# Allegro board H616_REF_DDR4_16X4_V2_0_20200729.brd
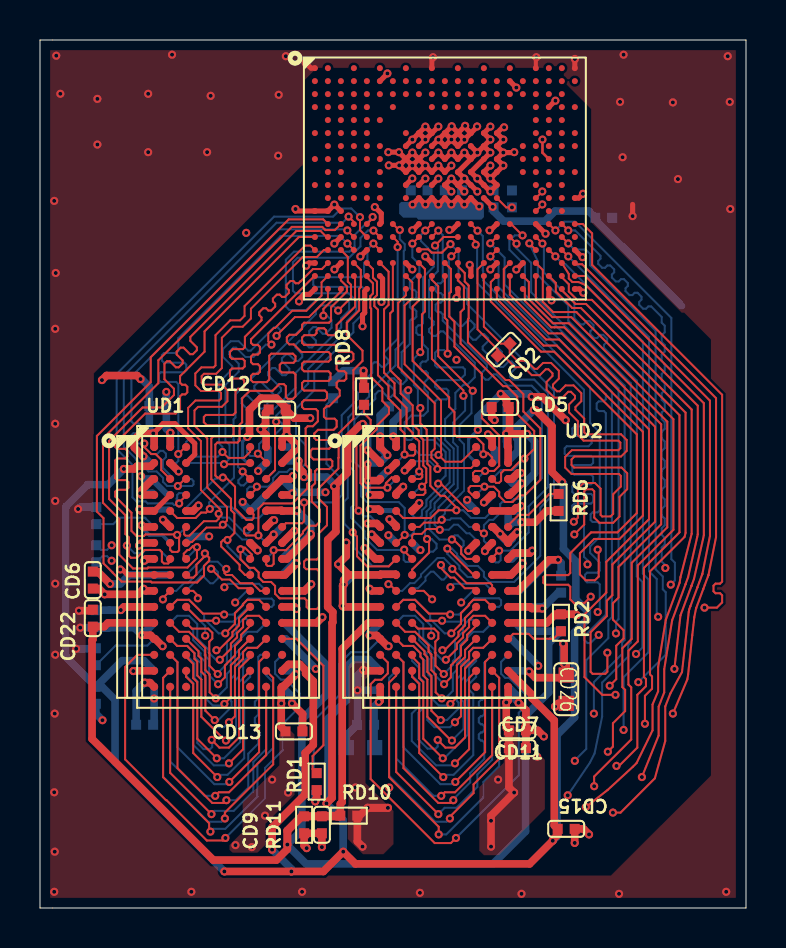
[diagram p0: board, top side]
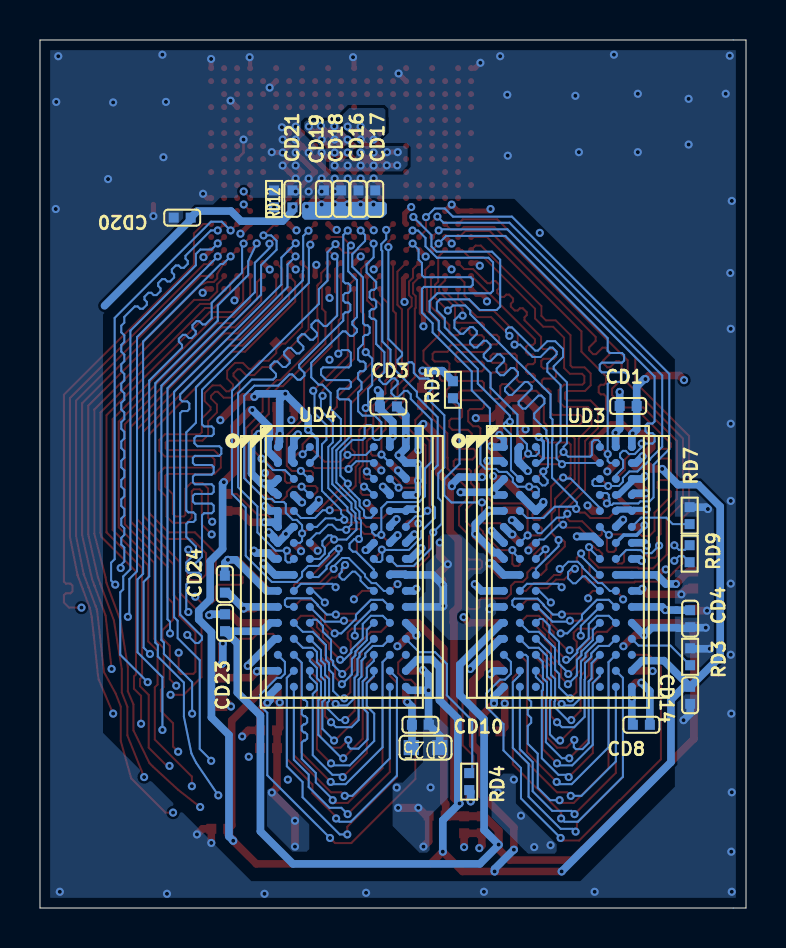
[diagram p1: board, bottom side, seen from below]

Outline 35.31 x 43.43 mm; copper layers: TOP, GND02, POWER03, BOTTOM. Coordinates in mm from the lower left corner of the outline.
Outline path: 0,43.43 0,0 35.31,0 35.31,43.43 0,43.43

## Design rules (mm)
net group DDR-ADD: nets SRST
nets with their own width: min track width 0.381; nets GND SVREF VCC-DRAM VDD18-DRAM VDD-CPU VDD-GPU VDD-SYS VPP-DRAM

## Placement (name value [footprint] x y rotation side)
CD1  100nF  [C0402]  5.89 25.12 0 bottom
CD2  NC  [C0402]  23.19 27.94 45 top
CD3  2.2uF  [C0402]  17.88 25.1 0 bottom
CD4  2.2uF  [C0402]  2.79 14.48 270 bottom
CD5  100nF  [C0402]  23.01 25.07 180 top
CD6  100nF  [C0402]  2.64 16.41 270 top
CD7  NC  [C0402]  23.88 8 0 top
CD8  NC  [C0402]  5.23 9.17 180 bottom
CD9  100nF  [C0402]  14.1 4.17 270 top
CD10  100nF  [C0402]  16.28 9.17 0 bottom
CD11  2.2uF  [C0402]  23.88 8.89 0 top
CD12  100nF  [C0402]  11.86 24.94 180 top
CD13  2.2uF  [C0402]  12.7 8.84 0 top
CD14  1uF  [C0402]  2.79 10.64 270 bottom
CD15  100nF  [C0402]  26.31 3.96 0 top
CD16  NC  [C0402]  19.38 35.48 90 bottom
CD17  100nF  [C0402]  18.54 35.48 90 bottom
CD18  2.2uF  [C0402]  20.24 35.48 90 bottom
CD19  100nF  [C0402]  21.11 35.48 90 bottom
CD20  1uF  [C0402]  28.19 34.54 0 bottom
CD21  100nF  [C0402]  22.68 35.48 90 bottom
CD22  100nF  [C0402]  2.64 14.5 90 top
CD23  100nF  [C0402]  26.05 14.27 90 bottom
CD24  100nF  [C0402]  26.06 16.21 90 bottom
CD25  10uF  [C0603]  16.03 8.03 0 bottom
CD26  10uF  [C0603]  26.31 10.95 270 top
NOREF  -  []  -40.44 -28.88 0 top
NOREF#2  -  []  35.31 0 90 top
NOREF#3  -  []  0 43.43 0 top
RD1  240R-1%  [R0402]  13.84 6.32 270 top
RD2  240R-1%  [R0402]  26.05 14.27 90 top
RD3  240R-1%  [R0402]  2.79 12.57 90 bottom
RD4  240R-1%  [R0402]  13.84 6.32 270 bottom
RD5  240R-1%  [R0402]  14.66 25.93 90 bottom
RD6  240R-1%  [R0402]  25.93 20.29 270 top
RD7  240R-1%  [R0402]  2.82 19.63 90 bottom
RD8  240R-1%  [R0402]  16.21 25.6 90 top
RD9  100R  [R0402]  2.82 17.73 90 bottom
RD10  2K-1%  [R0402]  15.44 4.62 0 top
RD11  2K-1%  [R0402]  13.21 4.17 90 top
RD12  240R-1%  [R0402]  23.6 35.48 90 bottom
U1  H616-BGA-284  [BGA284P65B1200_1400H125]  20.25 36.5 0 top
UD1  DDR4-FBGA96  [BGA96P80B1000_1400H120]  8.91 17.07 0 top
UD2  DDR4-FBGA96  [BGA96P80B1000_1400H120]  20.21 17.07 0 top
UD3  DDR4-FBGA96  [BGA96P80B1000_1400H120]  8.91 17.07 180 bottom
UD4  DDR4-FBGA96  [BGA96P80B1000_1400H120]  20.21 17.07 180 bottom

## Library data of the parts
CD1-CD5 CD7-CD26 = C-C0402-X5R_1
CD6 = C-C0603-X5R_1
RD1-RD8 = R-R0402-1%_1
RD9-RD11 = R-R0402-5%_1
RD12 = R-R0402-1%_0
U1 = H616-BGA-284_1
UD1-UD4 = DDR4-FBGA96

## Footprints (pads in the part's own frame, mm; a bottom-side part is the same pattern mirrored in y, then rotated)
BGA96P80B1000_1400H120
  round 0.4 smd: A1(-3.2,6) A2(-2.4,6) A3(-1.6,6) A7(1.6,6) A8(2.4,6) A9(3.2,6) B1(-3.2,5.2) B2(-2.4,5.2) B3(-1.6,5.2) B7(1.6,5.2) B8(2.4,5.2) B9(3.2,5.2) C1(-3.2,4.4) C2(-2.4,4.4) C3(-1.6,4.4) C7(1.6,4.4) C8(2.4,4.4) C9(3.2,4.4) D1(-3.2,3.6) D2(-2.4,3.6) D3(-1.6,3.6) D7(1.6,3.6) D8(2.4,3.6) D9(3.2,3.6) E1(-3.2,2.8) E2(-2.4,2.8) E3(-1.6,2.8) E7(1.6,2.8) E8(2.4,2.8) E9(3.2,2.8) F1(-3.2,2) F2(-2.4,2) F3(-1.6,2) F7(1.6,2) F8(2.4,2) F9(3.2,2) G1(-3.2,1.2) G2(-2.4,1.2) G3(-1.6,1.2) G7(1.6,1.2) G8(2.4,1.2) G9(3.2,1.2) H1(-3.2,0.4) H2(-2.4,0.4) H3(-1.6,0.4) H7(1.6,0.4) H8(2.4,0.4) H9(3.2,0.4) J1(-3.2,-0.4) J2(-2.4,-0.4) J3(-1.6,-0.4) J7(1.6,-0.4) J8(2.4,-0.4) J9(3.2,-0.4) K1(-3.2,-1.2) K2(-2.4,-1.2) K3(-1.6,-1.2) K7(1.6,-1.2) K8(2.4,-1.2) K9(3.2,-1.2) L1(-3.2,-2) L2(-2.4,-2) L3(-1.6,-2) L7(1.6,-2) L8(2.4,-2) L9(3.2,-2) M1(-3.2,-2.8) M2(-2.4,-2.8) M3(-1.6,-2.8) M7(1.6,-2.8) M8(2.4,-2.8) M9(3.2,-2.8) N1(-3.2,-3.6) N2(-2.4,-3.6) N3(-1.6,-3.6) N7(1.6,-3.6) N8(2.4,-3.6) N9(3.2,-3.6) P1(-3.2,-4.4) P2(-2.4,-4.4) P3(-1.6,-4.4) P7(1.6,-4.4) P8(2.4,-4.4) P9(3.2,-4.4) R1(-3.2,-5.2) R2(-2.4,-5.2) R3(-1.6,-5.2) R7(1.6,-5.2) R8(2.4,-5.2) R9(3.2,-5.2) T1(-3.2,-6) T2(-2.4,-6) T3(-1.6,-6) T7(1.6,-6) T8(2.4,-6) T9(3.2,-6)
BGA284P65B1200_1400H125
  round 0.3 smd: A1(-6.5,5.525) A2(-5.85,5.525) A4(-4.55,5.525) A6(-3.25,5.525) A8(-1.95,5.525) A10(-0.65,5.525) A12(0.65,5.525) A14(1.95,5.525) A16(3.25,5.525) A18(4.55,5.525) A19(5.2,5.525) A20(5.85,5.525) A21(6.5,5.525) B1(-6.5,4.875) B2(-5.85,4.875) B3(-5.2,4.875) B4(-4.55,4.875) B5(-3.9,4.875) B6(-3.25,4.875) B7(-2.6,4.875) B8(-1.95,4.875) B9(-1.3,4.875) B10(-0.65,4.875) B11(0,4.875) B12(0.65,4.875) B13(1.3,4.875) B14(1.95,4.875) B15(2.6,4.875) B16(3.25,4.875) B17(3.9,4.875) B18(4.55,4.875) B19(5.2,4.875) B20(5.85,4.875) B21(6.5,4.875) C1(-6.5,4.225) C2(-5.85,4.225) C3(-5.2,4.225) C4(-4.55,4.225) C5(-3.9,4.225) C6(-3.25,4.225) C7(-2.6,4.225) C8(-1.95,4.225) C9(-1.3,4.225) C10(-0.65,4.225) C11(0,4.225) C12(0.65,4.225) C13(1.3,4.225) C14(1.95,4.225) C15(2.6,4.225) C16(3.25,4.225) C17(3.9,4.225) C18(4.55,4.225) C19(5.2,4.225) C20(5.85,4.225) D1(-6.5,3.575) D2(-5.85,3.575) D3(-5.2,3.575) D4(-4.55,3.575) D5(-3.9,3.575) D7(-2.6,3.575) D10(-0.65,3.575) D11(0,3.575) D12(0.65,3.575) D13(1.3,3.575) D14(1.95,3.575) D15(2.6,3.575) D16(3.25,3.575) D18(4.55,3.575) D19(5.2,3.575) D20(5.85,3.575) D21(6.5,3.575) E2(-5.85,2.925) E3(-5.2,2.925) E4(-4.55,2.925) E5(-3.9,2.925) E6(-3.25,2.925) E18(4.55,2.925) E19(5.2,2.925) E20(5.85,2.925) F1(-6.5,2.275) F2(-5.85,2.275) F3(-5.2,2.275) F4(-4.55,2.275) F5(-3.9,2.275) F8(-1.95,2.275) F9(-1.3,2.275) F10(-0.65,2.275) F11(0,2.275) F12(0.65,2.275) F13(1.3,2.275) F14(1.95,2.275) F15(2.6,2.275) F18(4.55,2.275) F19(5.2,2.275) F20(5.85,2.275) F21(6.5,2.275) G2(-5.85,1.625) G3(-5.2,1.625) G4(-4.55,1.625) G5(-3.9,1.625) G6(-3.25,1.625) G8(-1.95,1.625) G9(-1.3,1.625) G10(-0.65,1.625) G11(0,1.625) G12(0.65,1.625) G13(1.3,1.625) G14(1.95,1.625) G15(2.6,1.625) G17(3.9,1.625) G18(4.55,1.625) G19(5.2,1.625) G20(5.85,1.625) G21(6.5,1.625) H1(-6.5,0.975) H2(-5.85,0.975) H3(-5.2,0.975) H4(-4.55,0.975) H5(-3.9,0.975) H6(-3.25,0.975) H8(-1.95,0.975) H9(-1.3,0.975) H10(-0.65,0.975) H11(0,0.975) H12(0.65,0.975) H13(1.3,0.975) H14(1.95,0.975) H15(2.6,0.975) H17(3.9,0.975) H18(4.55,0.975) H19(5.2,0.975) H20(5.85,0.975) J2(-5.85,0.325) J3(-5.2,0.325) J6(-3.25,0.325) J8(-1.95,0.325) J9(-1.3,0.325) J10(-0.65,0.325) J11(0,0.325) J12(0.65,0.325) J13(1.3,0.325) J14(1.95,0.325) J15(2.6,0.325) J17(3.9,0.325) J18(4.55,0.325) J19(5.2,0.325) J20(5.85,0.325) J21(6.5,0.325) K1(-6.5,-0.325) K2(-5.85,-0.325) K3(-5.2,-0.325) K4(-4.55,-0.325) K5(-3.9,-0.325) K6(-3.25,-0.325) K8(-1.95,-0.325) K9(-1.3,-0.325) K10(-0.65,-0.325) K11(0,-0.325) K12(0.65,-0.325) K13(1.3,-0.325) K14(1.95,-0.325) K15(2.6,-0.325) K18(4.55,-0.325) K19(5.2,-0.325) K20(5.85,-0.325) L2(-5.85,-0.975) L3(-5.2,-0.975) L4(-4.55,-0.975) L5(-3.9,-0.975) L6(-3.25,-0.975) L8(-1.95,-0.975) L9(-1.3,-0.975) L10(-0.65,-0.975) L11(0,-0.975) L12(0.65,-0.975) L13(1.3,-0.975) L14(1.95,-0.975) L15(2.6,-0.975) L18(4.55,-0.975) L19(5.2,-0.975) L20(5.85,-0.975) L21(6.5,-0.975) M1(-6.5,-1.625) M2(-5.85,-1.625) M3(-5.2,-1.625) M18(4.55,-1.625) M19(5.2,-1.625) M20(5.85,-1.625) N2(-5.85,-2.275) N3(-5.2,-2.275) N4(-4.55,-2.275) N5(-3.9,-2.275) N6(-3.25,-2.275) N7(-2.6,-2.275) N9(-1.3,-2.275) N10(-0.65,-2.275) N12(0.65,-2.275) N13(1.3,-2.275) N15(2.6,-2.275) N16(3.25,-2.275) N18(4.55,-2.275) N19(5.2,-2.275) N20(5.85,-2.275) N21(6.5,-2.275) P1(-6.5,-2.925) P2(-5.85,-2.925) P3(-5.2,-2.925) P4(-4.55,-2.925) P5(-3.9,-2.925) P6(-3.25,-2.925) P7(-2.6,-2.925) P9(-1.3,-2.925) P10(-0.65,-2.925) P12(0.65,-2.925) P13(1.3,-2.925) P15(2.6,-2.925) P16(3.25,-2.925) P18(4.55,-2.925) P20(5.85,-2.925) P21(6.5,-2.925) R1(-6.5,-3.575) R2(-5.85,-3.575) R3(-5.2,-3.575) R4(-4.55,-3.575) R5(-3.9,-3.575) R6(-3.25,-3.575) R9(-1.3,-3.575) R12(0.65,-3.575) R15(2.6,-3.575) R18(4.55,-3.575) R19(5.2,-3.575) R20(5.85,-3.575) R21(6.5,-3.575) T1(-6.5,-4.225) T2(-5.85,-4.225) T3(-5.2,-4.225) T4(-4.55,-4.225) T5(-3.9,-4.225) T6(-3.25,-4.225) T7(-2.6,-4.225) T8(-1.95,-4.225) T9(-1.3,-4.225) T10(-0.65,-4.225) T11(0,-4.225) T12(0.65,-4.225) T14(1.95,-4.225) T15(2.6,-4.225) T16(3.25,-4.225) T17(3.9,-4.225) T18(4.55,-4.225) T20(5.85,-4.225) T21(6.5,-4.225) U1(-6.5,-4.875) U2(-5.85,-4.875) U3(-5.2,-4.875) U4(-4.55,-4.875) U5(-3.9,-4.875) U6(-3.25,-4.875) U8(-1.95,-4.875) U9(-1.3,-4.875) U10(-0.65,-4.875) U11(0,-4.875) U12(0.65,-4.875) U13(1.3,-4.875) U14(1.95,-4.875) U15(2.6,-4.875) U16(3.25,-4.875) U17(3.9,-4.875) U18(4.55,-4.875) U19(5.2,-4.875) U20(5.85,-4.875) U21(6.5,-4.875) V1(-6.5,-5.525) V2(-5.85,-5.525) V3(-5.2,-5.525) V5(-3.9,-5.525) V8(-1.95,-5.525) V10(-0.65,-5.525) V12(0.65,-5.525) V15(2.6,-5.525) V17(3.9,-5.525) V19(5.2,-5.525) V20(5.85,-5.525) V21(6.5,-5.525)
C0402
  rect 0.5x0.5 smd: 1(-0.425,0) 2(0.425,0)
C0603
  rect 0.76x0.76 smd: 1(-0.71,0) 2(0.71,0)
R0402
  rect 0.5x0.5 smd: 1(-0.425,0) 2(0.425,0)

## Nets
GND: CD1.2 CD3.2 CD4.2 CD5.2 CD6.2 CD7.2 CD8.2 CD9.2 CD10.2 CD11.2 CD12.2 CD13.2 CD14.2 CD15.2 CD16.2 CD17.2 CD18.2 CD19.2 CD20.2 CD21.2 CD22.2 CD23.2 CD24.2 CD25.2 CD26.2 RD1.2 RD2.2 RD3.2 RD4.2 RD5.2 RD6.2 RD7.2 RD8.2 RD11.1 RD12.2 U1.A1(GND1) U1.A10(GND2) U1.A18(GND3) U1.A21(GND4) U1.B6(GND5) U1.B16(GND6) U1.D19(GND7) U1.F14(GND8) U1.F15(GND9) U1.G13(GND10) U1.G14(GND11) U1.G15(GND12) U1.H10(GND13) U1.H11(GND14) U1.H12(GND15) U1.H13(GND16) U1.H14(GND17) U1.H15(GND18) U1.H19(GND19) U1.J12(GND20) U1.J13(GND21) U1.J14(GND22) U1.J15(GND23) U1.K8(GND25) U1.K9(GND26) U1.K10(GND27) U1.K11(GND28) U1.K12(GND29) U1.K13(GND30) U1.K14(GND31) U1.K15(GND32) U1.L21(GND33) U1.M1(GND24) U1.M2(GND34) U1.M3(GND35) U1.N6(GND36) U1.N9(GND37) U1.N12(GND38) U1.N15(GND39) U1.N18(GND40) U1.P3(GND41) U1.R5(GND42) U1.R21(GND43) U1.T1(GND44) U1.T3(GND45) U1.T8(GND46) U1.T10(GND47) U1.T15(GND48) U1.T17(GND49) U1.U6(GND50) U1.U13(GND51) U1.V1(GND52) U1.V5(GND53) U1.V12(GND54) U1.V19(GND55) U1.V21(GND56) UD1.A2(VSSQ1) UD1.A8(VSSQ2) UD1.B2(VSS1) UD1.C9(VSSQ3) UD1.D2(VSSQ4) UD1.D8(VSSQ5) UD1.E1(VSS2) UD1.E3(VSSQ6) UD1.E8(VSSQ7) UD1.E9(VSS3) UD1.F1(VSSQ8) UD1.G8(VSS4) UD1.H1(VSSQ9) UD1.H9(VSSQ10) UD1.K1(VSS5) UD1.K9(VSS6) UD1.M9(VSS7) UD1.N1(VSS8) UD1.T1(VSS9) UD2.A2(VSSQ1) UD2.A8(VSSQ2) UD2.B2(VSS1) UD2.C9(VSSQ3) UD2.D2(VSSQ4) UD2.D8(VSSQ5) UD2.E1(VSS2) UD2.E3(VSSQ6) UD2.E8(VSSQ7) UD2.E9(VSS3) UD2.F1(VSSQ8) UD2.G8(VSS4) UD2.H1(VSSQ9) UD2.H9(VSSQ10) UD2.K1(VSS5) UD2.K9(VSS6) UD2.M9(VSS7) UD2.N1(VSS8) UD2.T1(VSS9) UD3.A2(VSSQ1) UD3.A8(VSSQ2) UD3.B2(VSS1) UD3.C9(VSSQ3) UD3.D2(VSSQ4) UD3.D8(VSSQ5) UD3.E1(VSS2) UD3.E3(VSSQ6) UD3.E8(VSSQ7) UD3.E9(VSS3) UD3.F1(VSSQ8) UD3.G8(VSS4) UD3.H1(VSSQ9) UD3.H9(VSSQ10) UD3.K1(VSS5) UD3.K9(VSS6) UD3.M9(VSS7) UD3.N1(VSS8) UD3.T1(VSS9) UD4.A2(VSSQ1) UD4.A8(VSSQ2) UD4.B2(VSS1) UD4.C9(VSSQ3) UD4.D2(VSSQ4) UD4.D8(VSSQ5) UD4.E1(VSS2) UD4.E3(VSSQ6) UD4.E8(VSSQ7) UD4.E9(VSS3) UD4.F1(VSSQ8) UD4.G8(VSS4) UD4.H1(VSSQ9) UD4.H9(VSSQ10) UD4.K1(VSS5) UD4.K9(VSS6) UD4.M9(VSS7) UD4.N1(VSS8) UD4.T1(VSS9)
VCC-DRAM: CD1.1 CD3.1 CD4.1 CD5.1 CD6.1 CD7.1 CD8.1 CD10.1 CD11.1 CD12.1 CD13.1 CD16.1 CD17.1 CD18.1 CD19.1 CD24.1 CD25.1 CD26.1 RD10.2 U1.L9(VCC_DRAM1) U1.L10(VCC_DRAM2) U1.L11(VCC_DRAM3) U1.L12(VCC_DRAM4) U1.L13(VCC_DRAM5) UD1.A1(VDDQ1) UD1.A9(VDDQ2) UD1.B3(VDD1) UD1.B9(VDD2) UD1.C1(VDDQ3) UD1.D1(VDD3) UD1.D9(VDDQ4) UD1.F2(VDDQ5) UD1.F8(VDDQ6) UD1.G1(VDDQ7) UD1.G7(VDD4) UD1.G9(VDDQ8) UD1.J1(VDD5) UD1.J2(VDDQ9) UD1.J8(VDDQ10) UD1.J9(VDD6) UD1.L1(VDD7) UD1.L9(VDD8) UD1.R1(VDD9) UD1.T9(VDD10) UD2.A1(VDDQ1) UD2.A9(VDDQ2) UD2.B3(VDD1) UD2.B9(VDD2) UD2.C1(VDDQ3) UD2.D1(VDD3) UD2.D9(VDDQ4) UD2.F2(VDDQ5) UD2.F8(VDDQ6) UD2.G1(VDDQ7) UD2.G7(VDD4) UD2.G9(VDDQ8) UD2.J1(VDD5) UD2.J2(VDDQ9) UD2.J8(VDDQ10) UD2.J9(VDD6) UD2.L1(VDD7) UD2.L9(VDD8) UD2.R1(VDD9) UD2.T9(VDD10) UD3.A1(VDDQ1) UD3.A9(VDDQ2) UD3.B3(VDD1) UD3.B9(VDD2) UD3.C1(VDDQ3) UD3.D1(VDD3) UD3.D9(VDDQ4) UD3.F2(VDDQ5) UD3.F8(VDDQ6) UD3.G1(VDDQ7) UD3.G7(VDD4) UD3.G9(VDDQ8) UD3.J1(VDD5) UD3.J2(VDDQ9) UD3.J8(VDDQ10) UD3.J9(VDD6) UD3.L1(VDD7) UD3.L9(VDD8) UD3.R1(VDD9) UD3.T9(VDD10) UD4.A1(VDDQ1) UD4.A9(VDDQ2) UD4.B3(VDD1) UD4.B9(VDD2) UD4.C1(VDDQ3) UD4.D1(VDD3) UD4.D9(VDDQ4) UD4.F2(VDDQ5) UD4.F8(VDDQ6) UD4.G1(VDDQ7) UD4.G7(VDD4) UD4.G9(VDDQ8) UD4.J1(VDD5) UD4.J2(VDDQ9) UD4.J8(VDDQ10) UD4.J9(VDD6) UD4.L1(VDD7) UD4.L9(VDD8) UD4.R1(VDD9) UD4.T9(VDD10)
VDD18-DRAM: CD20.1 CD21.1 U1.L14(VDD18_DRAM)
VDD-CPU: U1.H8(VDD_CPU1) U1.H9(VDD_CPU2) U1.J8(VDD_CPU3) U1.J9(VDD_CPU4) U1.J10(VDD_CPU5) U1.J11(VDD_CPU6)
VDD-GPU: U1.F9(VDD_GPU1) U1.F10(VDD_GPU2) U1.G8(VDD_GPU3) U1.G9(VDD_GPU4)
VDD-SYS: U1.F11(VDD_SYS1) U1.F12(VDD_SYS2) U1.F13(VDD_SYS3) U1.G10(VDD_SYS4) U1.G11(VDD_SYS5) U1.G12(VDD_SYS6)
SA0: U1.U19(SA8) UD1.P3(A0) UD2.P3(A0) UD3.P3(A0) UD4.P3(A0)
SA1: U1.P16(SA13) UD1.P7(A1) UD2.P7(A1) UD3.P7(A1) UD4.P7(A1)
SA2: U1.U17(SA1) UD1.R3(A2) UD2.R3(A2) UD3.R3(A2) UD4.R3(A2)
SA3: U1.P20(SBG0) UD1.N7(A3) UD2.N7(A3) UD3.N7(A3) UD4.N7(A3)
SA4: U1.V17(SCS0) UD1.N3(A4) UD2.N3(A4) UD3.N3(A4) UD4.N3(A4)
SA5: U1.P15(SA5) UD1.P8(A5) UD2.P8(A5) UD3.P8(A5) UD4.P8(A5)
SA6: U1.U20(SA6) UD1.P2(A6) UD2.P2(A6) UD3.P2(A6) UD4.P2(A6)
SA7: U1.R18(SA4) UD1.R8(A7) UD2.R8(A7) UD3.R8(A7) UD4.R8(A7)
SA8: U1.V20(SA14) UD1.R2(A8) UD2.R2(A8) UD3.R2(A8) UD4.R2(A8)
SA9: U1.R19(SA10) UD1.R7(A9) UD2.R7(A9) UD3.R7(A9) UD4.R7(A9)
SA10: U1.U16(SA12) UD1.M3(A10) UD2.M3(A10) UD3.M3(A10) UD4.M3(A10)
SA11: U1.U18(SA16) UD1.T2(A11) UD2.T2(A11) UD3.T2(A11) UD4.T2(A11)
SA12: U1.P18(SACT) UD1.M7(A12) UD2.M7(A12) UD3.M7(A12) UD4.M7(A12)
SA13: U1.T18(SA2) UD1.T8(A13) UD2.T8(A13) UD3.T8(A13) UD4.T8(A13)
SACT: U1.U15(SA11) UD1.L3(ACT) UD2.L3(ACT) UD3.L3(ACT) UD4.L3(ACT)
SBA0: U1.T21(SA0) UD1.N2(BA0) UD2.N2(BA0) UD3.N2(BA0) UD4.N2(BA0)
SBA1: U1.T16(SA3) UD1.N8(BA1) UD2.N8(BA1) UD3.N8(BA1) UD4.N8(BA1)
SBG0: U1.T20(SODT0) UD1.M2(BG0) UD2.M2(BG0) UD3.M2(BG0) UD4.M2(BG0)
SCAS: U1.R15(SBA1) UD1.M8(A15/CAS) UD2.M8(A15/CAS) UD3.M8(A15/CAS) UD4.M8(A15/CAS)
SCKE0: U1.V15(SCKE0) UD1.K2(CKE0) UD2.K2(CKE0)
SCKE1: U1.P13(SCKE1) UD3.K2(CKE0) UD4.K2(CKE0)
SCKN: CD2.2 RD9.1 U1.U14(SCKN) UD1.K8(CK#) UD2.K8(CK#) UD3.K8(CK#) UD4.K8(CK#)
SCKP: CD2.1 RD9.2 U1.T14(SCKP) UD1.K7(CK) UD2.K7(CK) UD3.K7(CK) UD4.K7(CK)
SCS0: U1.N16(SA9) UD1.L7(CS0) UD2.L7(CS0)
SCS1: U1.R20(SCS1) UD3.L7(CS0) UD4.L7(CS0)
SDQ0: U1.N3(SDQ0) UD1.H3(DQ2) UD3.H7(DQ3)
SDQ1: U1.U4(SDQ1) UD1.H8(DQ5) UD3.H2(DQ4)
SDQ2: U1.N2(SDQ2) UD1.J3(DQ6) UD3.J7(DQ7)
SDQ3: U1.T4(SDQ3) UD1.H7(DQ3) UD3.H3(DQ2)
SDQ4: U1.U3(SDQ4) UD1.F7(DQ1) UD3.G2(DQ0)
SDQ5: U1.P1(SDQ5) UD1.G2(DQ0) UD3.F7(DQ1)
SDQ6: U1.T2(SDQ6) UD1.J7(DQ7) UD3.J3(DQ6)
SDQ7: U1.P2(SDQ7) UD1.H2(DQ4) UD3.H8(DQ5)
SDQ8: U1.P5(SDQ8) UD1.D3(DQ14) UD3.D7(DQ15)
SDQ9: U1.V3(SDQ9) UD1.C7(DQ11) UD3.C3(DQ10)
SDQ10: U1.P4(SDQ10) UD1.C2(DQ12) UD3.C8(DQ13)
SDQ11: U1.R4(SDQ11) UD1.A3(DQ8) UD3.B8(DQ9)
SDQ12: U1.R6(SDQ12) UD1.D7(DQ15) UD3.D3(DQ14)
SDQ13: U1.N4(SDQ13) UD1.C3(DQ10) UD3.C7(DQ11)
SDQ14: U1.P6(SDQ14) UD1.C8(DQ13) UD3.C2(DQ12)
SDQ15: U1.N5(SDQ15) UD1.B8(DQ9) UD3.A3(DQ8)
SDQ16: U1.T11(SDQ16) UD2.C7(DQ11) UD4.C3(DQ10)
SDQ17: U1.U12(SDQ17) UD2.C8(DQ13) UD4.C2(DQ12)
SDQ18: U1.T12(SDQ18) UD2.D7(DQ15) UD4.D3(DQ14)
SDQ19: U1.U9(SDQ19) UD2.B8(DQ9) UD4.A3(DQ8)
SDQ20: U1.T6(SDQ20) UD2.C3(DQ10) UD4.C7(DQ11)
SDQ21: U1.U5(SDQ21) UD2.C2(DQ12) UD4.C8(DQ13)
SDQ22: U1.T7(SDQ22) UD2.D3(DQ14) UD4.D7(DQ15)
SDQ23: U1.T5(SDQ23) UD2.A3(DQ8) UD4.B8(DQ9)
SDQ24: U1.R9(SDQ24) UD2.J7(DQ7) UD4.J3(DQ6)
SDQ25: U1.P7(SDQ25) UD2.H2(DQ4) UD4.H8(DQ5)
SDQ26: U1.N7(SDQ26) UD2.H3(DQ2) UD4.H7(DQ3)
SDQ27: U1.P9(SDQ27) UD2.G2(DQ0) UD4.F7(DQ1)
SDQ28: U1.P10(SDQ28) UD2.F7(DQ1) UD4.G2(DQ0)
SDQ29: U1.U11(SDQ29) UD2.J3(DQ6) UD4.J7(DQ7)
SDQ30: U1.P12(SDQ30) UD2.H7(DQ3) UD4.H3(DQ2)
SDQ31: U1.R12(SDQ31) UD2.H8(DQ5) UD4.H2(DQ4)
SDQM0: U1.U1(SDQM0) UD1.E7(DM0) UD3.E7(DM0)
SDQM1: U1.R3(SDQM1) UD1.E2(DM1) UD3.E2(DM1)
SDQM2: U1.T9(SDQM2) UD2.E2(DM1) UD4.E2(DM1)
SDQM3: U1.N10(SDQM3) UD2.E7(DM0) UD4.E7(DM0)
SDQS0N: U1.R1(SDQS0N) UD1.F3(DQS0#) UD3.F3(DQS0#)
SDQS0P: U1.R2(SDQS0P) UD1.G3(DQS0) UD3.G3(DQS0)
SDQS1N: U1.V2(SDQS1N) UD1.A7(DQS1#) UD3.A7(DQS1#)
SDQS1P: U1.U2(SDQS1P) UD1.B7(DQS1) UD3.B7(DQS1)
SDQS2N: U1.U8(SDQS2N) UD2.A7(DQS1#) UD4.A7(DQS1#)
SDQS2P: U1.V8(SDQS2P) UD2.B7(DQS1) UD4.B7(DQS1)
SDQS3N: U1.U10(SDQS3N) UD2.F3(DQS0#) UD4.F3(DQS0#)
SDQS3P: U1.V10(SDQS3P) UD2.G3(DQS0) UD4.G3(DQS0)
SODT0: U1.N21(SBA0) UD1.K3(ODT0) UD2.K3(ODT0)
SODT1: U1.N20(SODT1) UD3.K3(ODT0) UD4.K3(ODT0)
SRAS: U1.N13(SA15) UD1.L8(A16/RAS) UD2.L8(A16/RAS) UD3.L8(A16/RAS) UD4.L8(A16/RAS)
SRST: U1.U21(SRST) UD1.P1(RESET) UD2.P1(RESET) UD3.P1(RESET) UD4.P1(RESET)
SVREF: CD9.1 CD22.1 CD23.1 RD10.1 RD11.2 UD1.M1(VREFCA) UD2.M1(VREFCA) UD3.M1(VREFCA) UD4.M1(VREFCA)
SWE: U1.N19(SA7) UD1.L2(A14/WE) UD2.L2(A14/WE) UD3.L2(A14/WE) UD4.L2(A14/WE)
VPP-DRAM: CD14.1 CD15.1 UD1.B1(VPP1) UD1.R9(VPP2) UD2.B1(VPP1) UD2.R9(VPP2) UD3.B1(VPP1) UD3.R9(VPP2) UD4.B1(VPP1) UD4.R9(VPP2)
N18052512: RD5.1 UD1.F9(ZQ)
N18052630: RD6.1 UD2.F9(ZQ)
N18052713: RD7.1 UD3.F9(ZQ)
N18052826: RD8.1 UD4.F9(ZQ)
N18053786: RD12.1 U1.L15(SZQ)
N18054719: RD2.1 UD2.N9(TEN)
N18054961: RD1.1 UD1.N9(TEN)
N18055202: RD3.1 UD3.N9(TEN)
N18055488: RD4.1 UD4.N9(TEN)

Pads without a net: U1 A2 A4 A6 A8 A12 A14 A16 A19 A20 B1 B2 B3 B4 B5 B7 B8 B9 B10 B11 B12 B13 B14 B15 B17 B18 B19 B20 B21 C1 C2 C3 C4 C5 C6 C7 C8 C9 C10 C11 C12 C13 C14 C15 C16 C17 C18 C19 C20 D1 D2 D3 D4 D5 D7 D10 D11 D12 D13 D14 D15 D16 D18 D20 D21 E2 E3 E4 E5 E6 E18 E19 E20 F1 F2 F3 F4 F5 F8 F18 F19 F20 F21 G2 G3 G4 G5 G6 G17 G18 G19 G20 G21 H1 H2 H3 H4 H5 H6 H17 H18 H20 J2 J3 J6 J17 J18 J19 J20 J21 K1 K2 K3 K4 K5 K6 K18 K19 K20 L2 L3 L4 L5 L6 L8 L18 L19 L20 M18 M19 M20 P21; UD1 P9 T3 T7; UD2 P9 T3 T7; UD3 P9 T3 T7; UD4 P9 T3 T7

## Via types
v1: diameter 0.406, hole 0.203, TOP to BOTTOM, 451 vias

## Routing (per net, layer and track width the routed paths; a pad name or vN(x,y) marks a point on that pad's centre or on a via; arc(x,y) is an arc through that point)
GND: length 159.6
  TOP w0.127: U1.H19 25.13,37.79 v1(25.13,38.45)
  TOP w0.203: U1.A18 24.8,42.55 v1(24.82,42.57)
  TOP w0.254: U1.H13 v1(21.22,37.8) U1.H12 v1(20.57,37.8) U1.H11 v1(19.92,37.8) U1.H10 ; U1.H13 U1.J12 v1(21.22,36.5) ; U1.H13 v1(21.87,37.8) ; U1.V5 16.24,30.87 16.24,29.79 16.13,29.68 v1(16.13,29.11) ; v1(26.75,42.48) 26.75,42.48 U1.A21 ; U1.N6 17.07,34.29 17.07,34.76 16.75,35.07 v1(16.74,35.07) ; v1(17.08,30.33) 17.13,30.38 17.13,31.49 U1.U6 ; v1(21.87,35.85) U1.K13 v1(21.22,36.5) ; v1(22.52,36.5) U1.J14 v1(22.52,37.15) ; v1(22.52,36.5) U1.J15 v1(23.17,37.15) U1.H15 v1(23.17,37.8) ; v1(22.52,36.5) U1.K15 v1(22.52,35.85) U1.K14 v1(21.87,36.5) U1.J13 U1.H14 v1(22.52,37.8) U1.G14 ; U1.K9 v1(19.27,36.5) ; v1(22.52,39.1) U1.F14 v1(22.52,38.45) U1.G14 ; U1.L21 26.94,35.53 v1(27.15,35.74) ; v1(21.22,36.5) U1.K12 ; v1(22.48,33.91) 22.53,33.91 U1.N15 ; U1.K8 18.3,36.18 v1(18.62,36.5) ; v1(20.83,30.53) 20.9,30.6 U1.V12 ; v1(23.17,37.8) U1.G15 v1(23.17,38.45) U1.F15 23.14,39.07 v1(23.21,39.07) ; v1(23.17,37.8) 23.7,37.8 v1(23.72,37.82) ; v1(12.95,30.35) 12.9,30.4 13.2,30.7 13.48,30.7 U1.V1 ; v1(22.52,31.95) 22.52,31.95 U1.T15 ; v1(17.37,41.76) 17.37,41.75 U1.B6 ; v1(20.57,35.85) U1.K11 v1(20.57,36.5) 20.57,36.5 U1.K12 ; U1.T8 v1(18.62,31.95) ; U1.A10 19.6,42.52 v1(19.65,42.57) ; U1.V19 25.45,30.54 v1(25.58,30.4) ; U1.T10 v1(19.27,32.6) ; 29.63,35.2 v1(29.63,34.62) ; U1.N12 20.6,33.93 v1(20.47,33.93) ; U1.R5 v1(16.02,32.6) ; UD1.D2 UD1.E1 ; v1(12.78,34.98) 12.78,34.88 U1.M1 U1.M2 v1(14.72,35.2) 14.76,35.16 14.76,35.16 U1.M3 ; v1(13.28,42.29) 13.55,42.03 U1.A1 ; v1(27.17,30.78) 26.98,30.98 U1.V21 ; v1(18.62,33.91) 18.63,33.91 U1.N9 ; U1.D19 25.77,40.4 v1(25.78,40.4) ; v1(21.87,37.8) U1.G14 ; v1(21.87,37.8) U1.G13 ; U1.K12 v1(21.22,35.85) ; U1.T17 v1(23.82,31.95) ; U1.T3 v1(14.72,31.95) ; U1.K10 v1(19.92,36.5) ; v1(21.49,32.18) 21.55,32.12 U1.U13 ; U1.N18 v1(25.28,33.74) ; U1.T1 13.45,32.28 v1(13.31,32.14) ; U1.B16 v1(23.82,41.05) ; v1(27.13,32.57) 27.11,32.57 U1.R21 ; U1.P3 v1(14.72,33.25)
  TOP w0.381: v1(24.05,20.12) 23.95,20.02 23.8,20.02 23.65,19.87 UD2.E9 UD2.E8 ; RD1.2 13.84,5.48 13.77,5.41 v1(13.77,5.33) ; v1(1.95,14.88) 2.59,14.88 CD22.2 ; v1(22.4,23.7) 22.61,23.49 UD2.A8 ; UD1.H9 12.35,17.47 12.62,17.74 12.65,17.74 13.54,18.63 v1(13.54,18.72) ; UD1.D8 UD1.C9 12.5,21.47 v1(12.65,21.62) ; UD1.A2 6.51,23.77 v1(6.52,23.78) ; v1(26.85,14.66) 26.8,14.66 26.75,14.7 RD2.2 25.77,14.7 25.34,14.27 UD2.M9 ; UD2.E1 16.92,19.96 v1(16.49,19.96) ; CD11.2 24.3,9.9 v1(23.93,10.27) ; CD11.2 24.89,8.89 v1(25.2,8.59) ; CD11.2 CD7.2 ; RD8.2 16.18,26.05 v1(16.18,26.89) ; v1(11.68,18.69) 11.68,18.64 UD1.G8 ; v1(6.93,21.84) 6.51,22.27 UD1.B2 ; v1(22.2,20.29) 22.57,20.67 UD2.D8 ; v1(5.23,11.28) 5.5,11.28 UD1.T1 ; v1(17.66,23.6) 17.81,23.45 UD2.A2 ; UD2.H9 23.7,17.76 24.49,17.76 v1(24.61,17.88) ; UD1.E1 5.05,19.87 v1(4.97,19.95) ; UD2.T1 17.01,10.38 v1(16.94,10.31) ; v1(5.08,19.15) 5.16,19.07 UD1.F1 ; v1(14.1,3.05) CD9.2 RD11.1 13.21,3.12 v1(13.34,3) ; UD2.H1 16.77,17.47 v1(16.23,18.01) ; CD12.2 11.28,24.78 11.28,24.21 v1(11.02,23.95) 11.31,23.67 UD1.A8 ; v1(24.05,21.77) 23.89,21.77 23.59,21.47 UD2.C9 ; v1(22.74,24.41) 22.72,24.41 22.59,24.54 CD5.2 ; v1(16.48,15.98) 16.59,15.87 UD2.K1 ; v1(12.85,19.89) 12.83,19.87 UD1.E9 12.08,19.9 11.34,19.9 UD1.E8 ; v1(22.25,17.86) 22.25,17.91 UD2.G8 ; v1(26.74,3.26) CD15.2 27.18,3.96 v1(27.46,3.68) ; v1(12.6,10.24) 13.13,9.71 13.13,8.85 CD13.2 ; v1(6.13,13.1) 5.76,13.47 UD1.N1 5.53,13.65 v1(5.09,13.65) ; RD6.2 25.33,19.87 24.76,19.3 v1(24.07,19.3) ; v1(17.4,21.89) 17.44,21.89 UD2.B2 ; UD1.E3 7.65,19.87 v1(7.92,20.14) ; UD1.H1 5.3,17.47 v1(5.21,17.37) ; v1(16.48,13.64) 16.84,13.64 UD2.N1 17.38,13.1 v1(17.43,13.1) ; UD1.K1 5.29,15.87 v1(5.18,15.98) 4.9,15.7 v1(3.23,15.7) 2.95,15.98 CD6.2 ; UD2.D2 17.81,20.73 v1(18.16,21.08) ; v1(16.38,19.24) 16.84,19.24 UD2.F1 ; v1(25.91,17.42) 25.46,17.42 23.9,15.87 UD2.K9 ; v1(13.56,16.21) 13.23,15.87 UD1.K9 ; v1(14.12,14.55) 13.84,14.27 UD1.M9 ; CD26.2 25.91,10.24 v1(25.76,10.08) ; UD2.E3 18.97,20.23 v1(18.97,20.26)
  POWER03 w0.305: 16.1,18.67 16.1,18.14 v1(16.23,18.01)
  BOTTOM w0.178: v1(5.08,19.15) 5.08,19.05 5.47,18.66 6.12,18.66 UD3.G8
  BOTTOM w0.254: UD1.E1 5.63,19.95 v1(4.97,19.95) ; UD4.E8 17.79,19.89 17.03,19.89 UD2.E1
  BOTTOM w0.305: UD3.C9 5.71,21.34 6.38,20.67 UD1.D2 ; UD3.E8 6.44,19.94 5.78,19.94 UD1.E1
  BOTTOM w0.381: v1(24.07,19.3) 23.64,19.3 UD4.F1 UD2.E9 23.81,19.87 v1(24.05,20.12) ; RD5.2 15.18,26.89 v1(16.18,26.89) ; v1(16.23,18.01) 16.77,17.47 UD2.H1 ; v1(24.92,12.12) 23.56,13.47 UD4.N1 ; 2.82,14.03 v1(2.01,14.03) ; 2.82,14.03 CD4.2 ; 2.82,14.03 2.84,14 3.41,14 3.44,14.03 4.72,14.03 v1(5.09,13.65) UD3.M9 ; UD4.C9 17.01,21.51 v1(17.4,21.89) ; v1(23.93,10.27) 23.93,10.28 23.8,10.42 23.8,10.68 UD4.T1 ; v1(13.77,5.33) 13.77,5.82 RD4.2 ; UD3.C9 5.2,21.47 5.06,21.61 v1(5.06,21.61) ; UD2.D2 17.81,20.73 v1(18.16,21.08) ; v1(11.68,18.69) 11.73,18.69 UD3.F1 ; UD2.K9 23.97,15.87 25.53,17.42 v1(25.91,17.42) 26.06,17.27 CD24.2 ; RD2.2 26.75,14.7 26.8,14.66 v1(26.85,14.66) ; UD4.B2 22.72,22.38 22.72,22.96 UD2.A8 22.61,23.49 v1(22.4,23.7) ; v1(3.12,9.4) 2.79,9.73 CD14.2 ; UD4.G8 v1(17.42,18.66) ; UD3.N1 12.29,13.47 v1(13.79,11.96) ; RD7.2 2,20.06 v1(1.91,19.96) ; UD1.A2 6.52,23.08 v1(6.52,23.78) 6.32,23.98 CD1.2 v1(6.32,25.82) ; UD1.H1 5.34,17.47 5.26,17.39 5.22,17.39 v1(5.21,17.37) ; v1(24.61,17.88) 24.49,17.76 23.89,17.76 23.59,17.47 UD2.H9 ; v1(10.13,20.32) 10.13,20.24 UD3.E3 UD1.D8 ; UD2.E1 16.92,19.96 v1(16.49,19.96) ; v1(21.36,20.42) 21.36,20.32 UD4.E3 ; UD1.E9 12.83,19.87 v1(12.85,19.89) 13.54,19.2 v1(13.54,18.72) 12.6,17.79 12.43,17.79 UD1.H9 ; UD3.B2 11.39,22.35 11.39,22.99 UD1.A8 ; UD3.T1 12.6,10.58 v1(12.6,10.24) ; v1(16.94,10.31) 16.71,10.08 CD10.2 16.71,8.06 CD25.2 ; v1(5.23,11.28) 4.81,10.85 CD8.2 ; UD2.K1 16.59,15.87 v1(16.48,15.98) ; RD3.2 2.77,12.97 v1(1.81,12.97) ; v1(5.18,15.98) 5.29,15.87 UD1.K1 ; v1(22.2,20.29) 22.24,20.29 UD2.D8 ; UD4.M9 16.48,13.74 v1(16.48,13.64) ; UD2.A2 17.81,23.45 v1(17.66,23.6) 17.66,24.32 18.31,24.96 CD3.2 18.31,25.8 v1(18.41,25.91) ; UD1.K9 13.23,15.87 v1(13.56,16.21)
  BOTTOM w0.4: v1(10.91,21.87) UD3.B2
  vias: v1(0.71,35.38) v1(0.74,9.73) v1(0.71,5.79) v1(0.74,2.82) v1(0.71,0.81) v1(0.81,42.65) v1(0.79,31.78) v1(0.76,28.98) v1(0.76,24.23) v1(0.76,20.37) v1(0.76,16.23) v1(0.76,12.67) v1(1.02,40.74) v1(2.87,40.49) v1(2.87,38.2) v1(5.41,40.74) v1(5.41,37.82) v1(6.6,42.7) v1(7.57,0.81) v1(8.36,37.82) v1(8.53,40.64) v1(10.31,33.78) v1(11.94,40.69) v1(11.91,37.64) v1(12.29,42.62) v1(13.11,0.81) v1(19,0.76) v1(20.83,27.43) v1(24.08,0.71) v1(29.01,40.34) v1(28.96,0.71) v1(29.13,37.57) v1(29.18,42.7) v1(31.65,40.31) v1(31.9,36.47) v1(34.32,0.81) v1(34.39,42.62) v1(34.49,40.34) v1(34.52,34.98)